# KiCad board ErgoSNM_keyboard.kicad_pcb
title: ErgoSNM Keyboard; date: 2022-12-11; rev: 1.1; note: MIT License (Open source hardware); note: https://github.com/ziteh/ergo-snm-keyboard
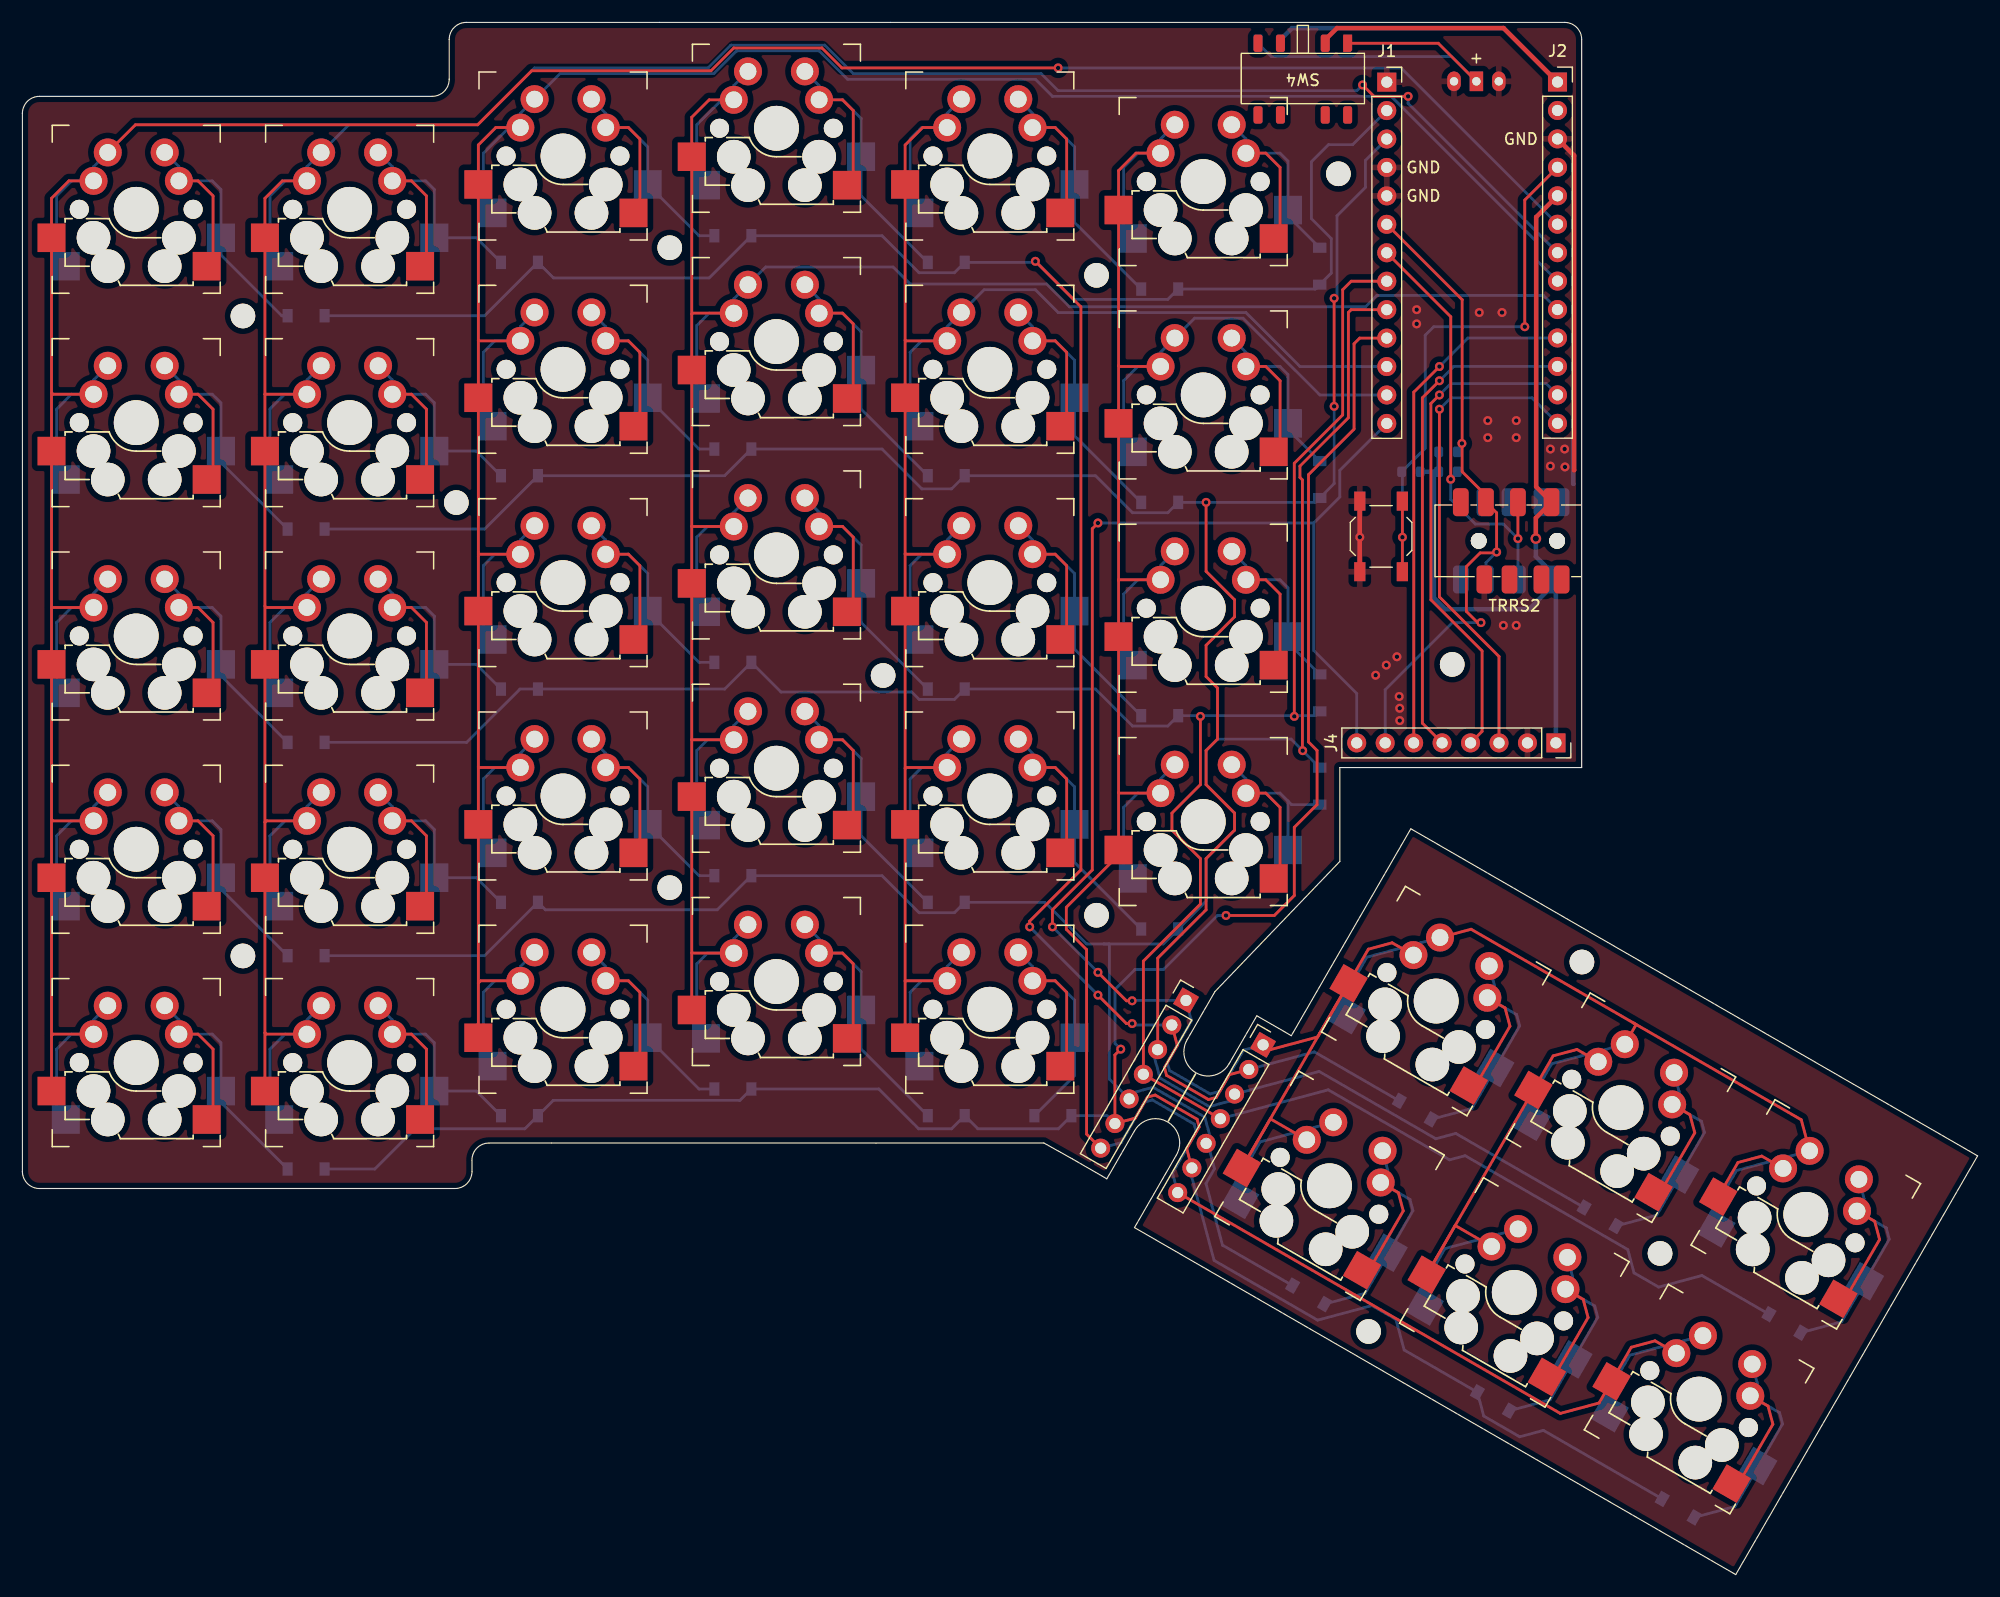
[diagram p0: board, top side]
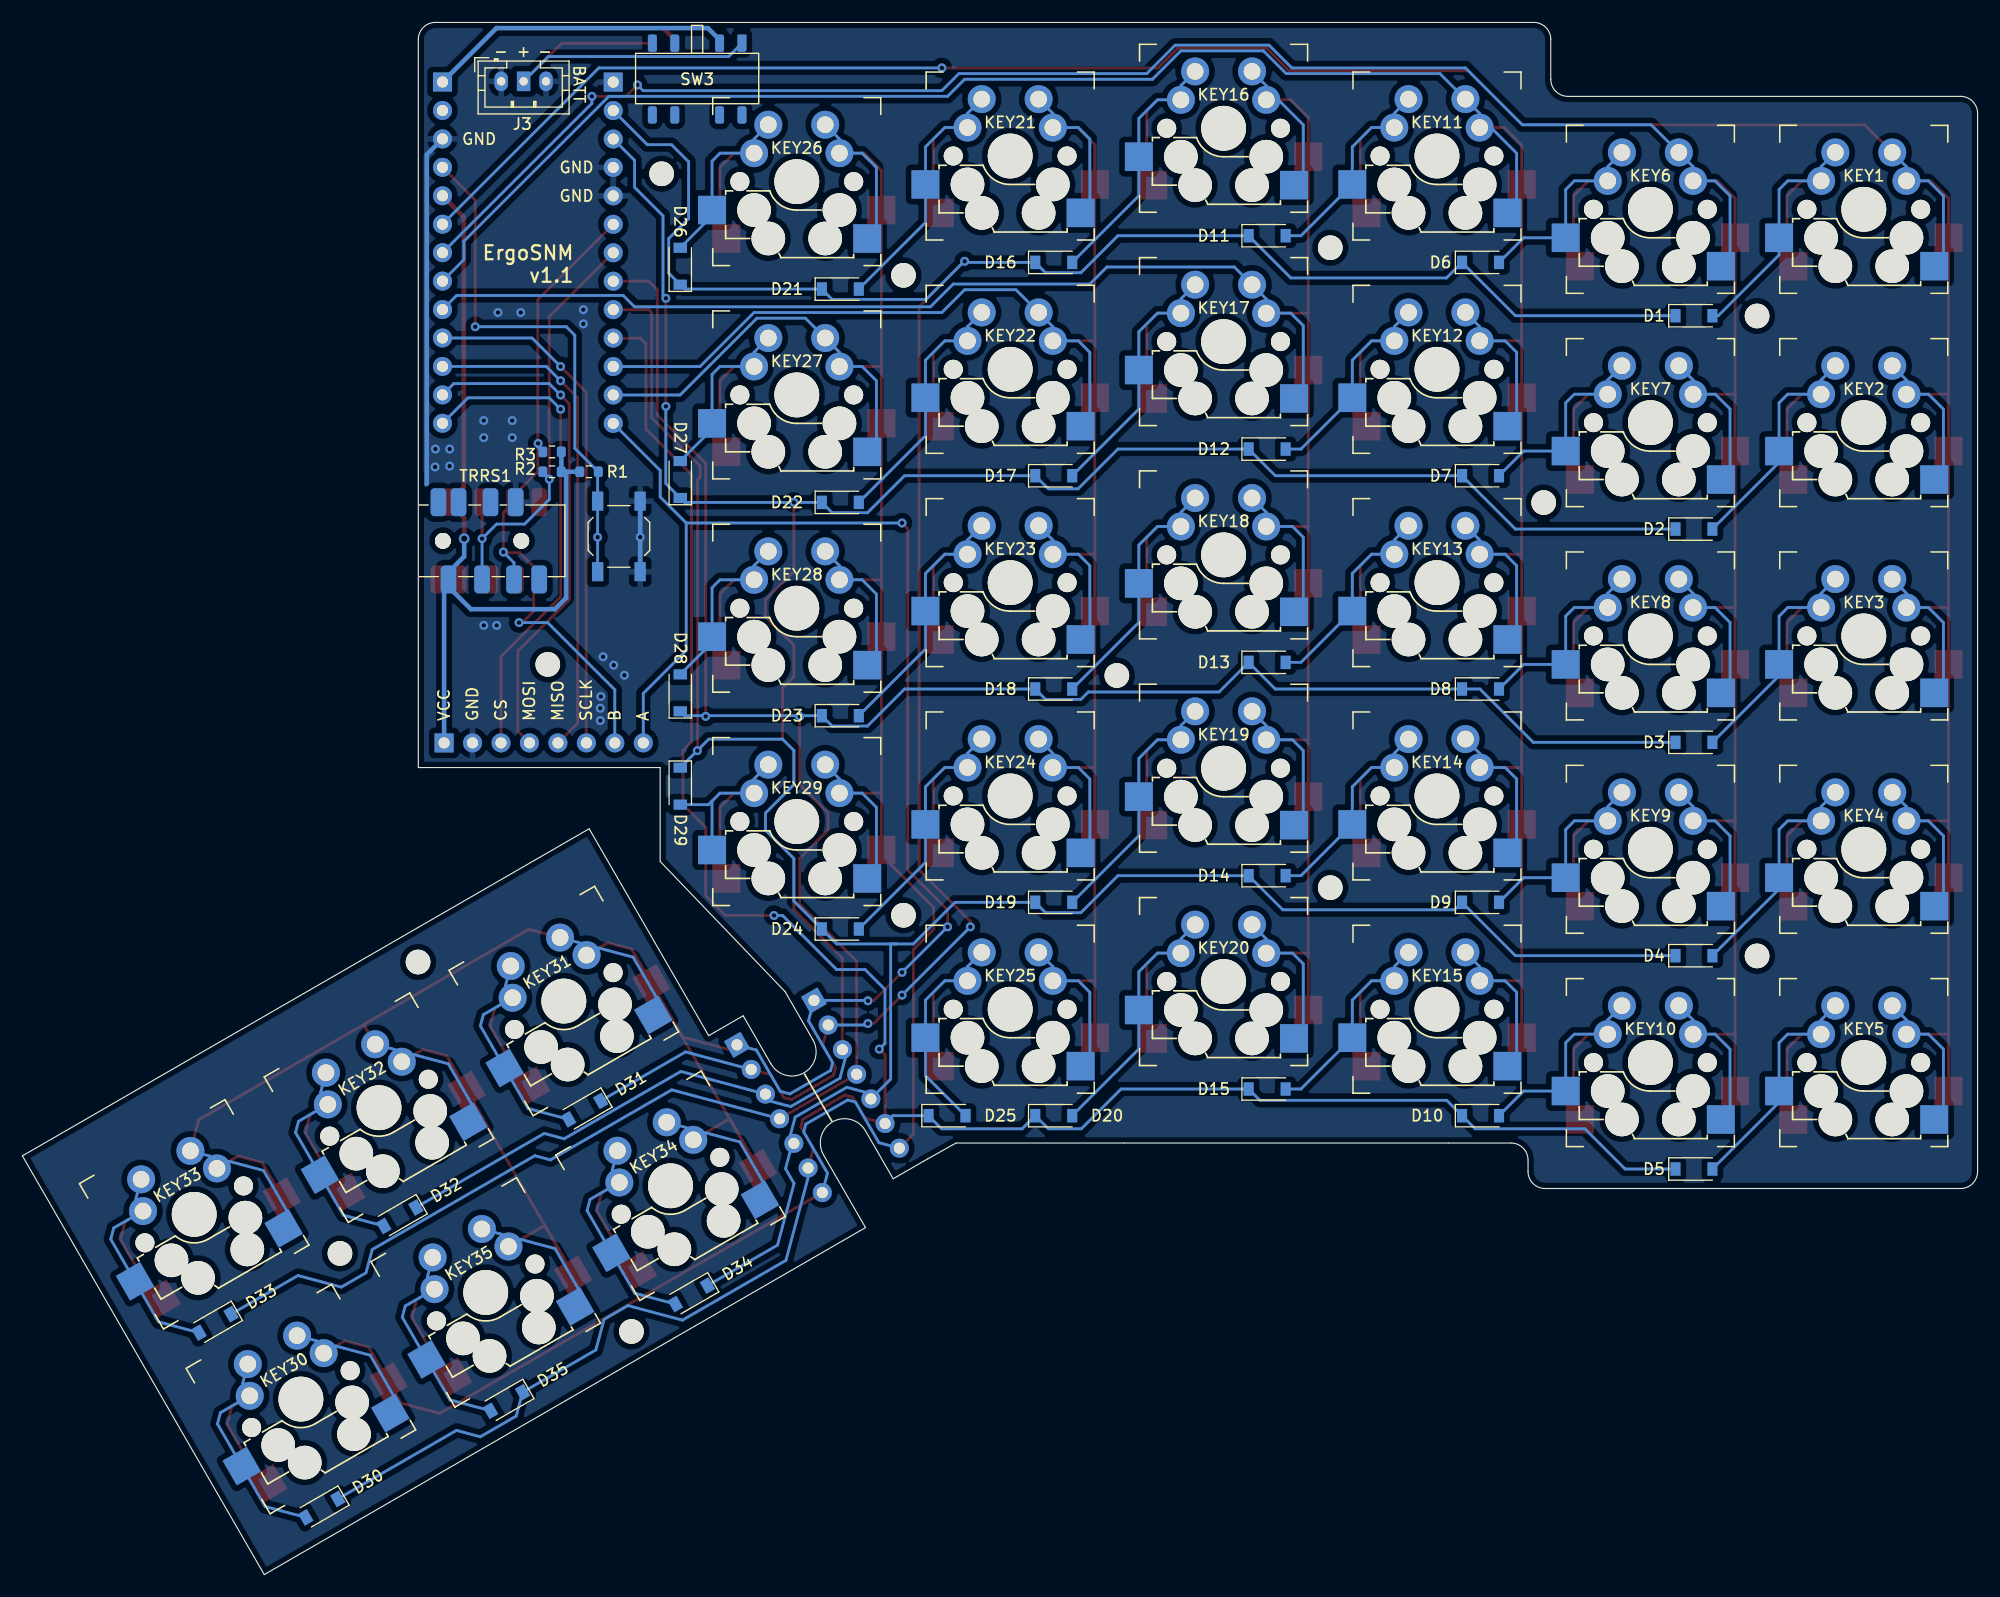
[diagram p1: board, bottom side, seen from below]

Outline 174.53 x 138.62 mm; copper layers: Top, Bottom. Coordinates in mm from the lower left corner of the outline.
Outline path: 0,130.49 arc(0.45,131.57) 1.52,132.01 36.58,132.01 arc(37.65,132.46) 38.1,133.54 38.1,137.09 arc(38.55,138.17) 39.62,138.62 137.67,138.62 arc(138.75,138.17) 139.19,137.09 139.19,72.07 117.6,72.07 117.6,63.69 106.45,52.06 103.98,47.78 arc(104.77,44.83) 107.72,45.62 110.19,49.91 113.27,48.13 123.94,66.6 174.53,37.39 152.94,0 99.27,30.99 103.02,37.48 arc(102.23,40.43) 99.28,39.64 96.8,35.35 93.72,37.12 91.19,38.54 41.66,38.54 arc(40.58,38.1) 40.13,37.02 40.13,36 arc(39.69,34.93) 38.61,34.48 1.52,34.48 arc(0.45,34.93) 0,36 0,130.49
Stack: Top 0.035mm / dielectric 1.51mm FR4 er 4.5 / Bottom 0.035mm

## Placement (name value [footprint] x y rotation side)
D1  1N4148  [D_SOD-123]  25.32 112.42 180 bottom
D2  1N4148  [D_SOD-123]  25.32 93.37 180 bottom
D3  1N4148  [D_SOD-123]  25.32 74.32 180 bottom
D4  1N4148  [D_SOD-123]  25.32 55.27 180 bottom
D5  1N4148  [D_SOD-123]  25.32 36.22 180 bottom
D6  1N4148  [D_SOD-123]  44.37 117.19 180 bottom
D7  1N4148  [D_SOD-123]  44.37 98.14 180 bottom
D8  1N4148  [D_SOD-123]  44.37 79.09 180 bottom
D9  1N4148  [D_SOD-123]  44.37 60.04 180 bottom
D10  1N4148  [D_SOD-123]  44.37 40.99 180 bottom
D11  1N4148  [D_SOD-123]  63.42 119.57 180 bottom
D12  1N4148  [D_SOD-123]  63.42 100.52 180 bottom
D13  1N4148  [D_SOD-123]  63.42 81.47 180 bottom
D14  1N4148  [D_SOD-123]  63.42 62.42 180 bottom
D15  1N4148  [D_SOD-123]  63.42 43.37 180 bottom
D16  1N4148  [D_SOD-123]  82.47 117.19 180 bottom
D17  1N4148  [D_SOD-123]  82.47 98.14 180 bottom
D18  1N4148  [D_SOD-123]  82.47 79.09 180 bottom
D19  1N4148  [D_SOD-123]  82.47 60.04 180 bottom
D20  1N4148  [D_SOD-123]  82.47 40.99 180 bottom
D21  1N4148  [D_SOD-123]  101.52 114.8 180 bottom
D22  1N4148  [D_SOD-123]  101.52 95.75 180 bottom
D23  1N4148  [D_SOD-123]  101.52 76.7 180 bottom
D24  1N4148  [D_SOD-123]  101.52 57.65 180 bottom
D25  1N4148  [D_SOD-123]  92 40.99 180 bottom
D26  1N4148  [D_SOD-123]  115.81 116.84 90 bottom
D27  1N4148  [D_SOD-123]  115.81 97.79 90 bottom
D28  1N4148  [D_SOD-123]  115.81 78.74 90 bottom
D29  1N4148  [D_SOD-123]  115.81 70.41 270 bottom
D30  1N4148  [D_SOD-123]  147.81 5.93 330 bottom
D31  1N4148  [D_SOD-123]  124.34 41.48 330 bottom
D32  1N4148  [D_SOD-123]  140.84 31.96 330 bottom
D33  1N4148  [D_SOD-123]  157.33 22.43 330 bottom
D34  1N4148  [D_SOD-123]  114.81 24.98 330 bottom
D35  1N4148  [D_SOD-123]  131.31 15.46 330 bottom
H1  MountingHole  [MountingHole_2.2mm_M2]  146.19 28.68 330 top
H2  MountingHole  [MountingHole_2.2mm_M2]  95.88 116.03 0 top
H3  MountingHole  [MountingHole_2.2mm_M2]  19.69 55.25 0 top
H4  MountingHole  [MountingHole_2.2mm_M2]  57.78 118.5 0 top
H5  MountingHole  [MountingHole_2.2mm_M2]  57.78 61.35 0 top
H6  MountingHole  [MountingHole_2.2mm_M2]  127.63 81.28 0 top
H7  MountingHole  [MountingHole_2.2mm_M2]  19.69 112.4 0 top
H8  MountingHole  [MountingHole_2.2mm_M2]  76.84 80.29 0 top
H9  MountingHole  [MountingHole_2.2mm_M2]  95.88 58.88 0 top
H10  MountingHole  [MountingHole_2.2mm_M2]  117.47 125.1 0 top
H11  MountingHole  [MountingHole_2.2mm_M2]  139.21 54.71 330 top
H12  MountingHole  [MountingHole_2.2mm_M2]  38.73 95.74 0 top
H13  MountingHole  [MountingHole_2.2mm_M2]  120.16 21.71 330 top
J1  Conn_01x13  [PinSocket_1x13_P2.54mm_Vertical]  121.79 133.28 0 top
J2  Conn_01x13  [PinSocket_1x13_P2.54mm_Vertical]  137.03 133.29 0 top
J3  Conn_01x03  [JST_PH_B3B-PH-K_1x03_P2.00mm_Vertical]  131.79 133.35 180 bottom
J4  Conn_01x08  [PinSocket_1x08_P2.54mm_Vertical]  136.89 74.27 270 top
J5  Conn_01x07  [PinHeader_1x07_P2.54mm_Vertical]  110.75 47.31 330 top
J6  Conn_01x07  [PinHeader_1x07_P2.54mm_Vertical]  103.87 51.28 330 top
KEY1  SW_Push_45deg  [MX_switch_THT_hotswap_double_sided_A]  10.16 121.92 0 top
KEY2  SW_Push_45deg  [MX_switch_THT_hotswap_double_sided_A]  10.16 102.87 0 top
KEY3  SW_Push_45deg  [MX_switch_THT_hotswap_double_sided_A]  10.16 83.82 0 top
KEY4  SW_Push_45deg  [MX_switch_THT_hotswap_double_sided_A]  10.16 64.77 0 top
KEY5  SW_Push_45deg  [MX_switch_THT_hotswap_double_sided_A]  10.16 45.72 0 top
KEY6  SW_Push_45deg  [MX_switch_THT_hotswap_double_sided_A]  29.21 121.92 0 top
KEY7  SW_Push_45deg  [MX_switch_THT_hotswap_double_sided_A]  29.21 102.87 0 top
KEY8  SW_Push_45deg  [MX_switch_THT_hotswap_double_sided_A]  29.21 83.82 0 top
KEY9  SW_Push_45deg  [MX_switch_THT_hotswap_double_sided_A]  29.21 64.77 0 top
KEY10  SW_Push_45deg  [MX_switch_THT_hotswap_double_sided_A]  29.21 45.72 0 top
KEY11  SW_Push_45deg  [MX_switch_THT_hotswap_double_sided_A]  48.26 126.69 0 top
KEY12  SW_Push_45deg  [MX_switch_THT_hotswap_double_sided_A]  48.26 107.64 0 top
KEY13  SW_Push_45deg  [MX_switch_THT_hotswap_double_sided_A]  48.26 88.59 0 top
KEY14  SW_Push_45deg  [MX_switch_THT_hotswap_double_sided_A]  48.26 69.54 0 top
KEY15  SW_Push_45deg  [MX_switch_THT_hotswap_double_sided_A]  48.26 50.49 0 top
KEY16  SW_Push_45deg  [MX_switch_THT_hotswap_double_sided_A]  67.31 129.16 0 top
KEY17  SW_Push_45deg  [MX_switch_THT_hotswap_double_sided_A]  67.31 110.11 0 top
KEY18  SW_Push_45deg  [MX_switch_THT_hotswap_double_sided_A]  67.31 91.06 0 top
KEY19  SW_Push_45deg  [MX_switch_THT_hotswap_double_sided_A]  67.31 72.01 0 top
KEY20  SW_Push_45deg  [MX_switch_THT_hotswap_double_sided_A]  67.31 52.96 0 top
KEY21  SW_Push_45deg  [MX_switch_THT_hotswap_double_sided_A]  86.36 126.69 0 top
KEY22  SW_Push_45deg  [MX_switch_THT_hotswap_double_sided_A]  86.36 107.64 0 top
KEY23  SW_Push_45deg  [MX_switch_THT_hotswap_double_sided_A]  86.36 88.59 0 top
KEY24  SW_Push_45deg  [MX_switch_THT_hotswap_double_sided_A]  86.36 69.54 0 top
KEY25  SW_Push_45deg  [MX_switch_THT_hotswap_double_sided_A]  86.36 50.49 0 top
KEY26  SW_Push_45deg  [MX_switch_THT_hotswap_double_sided_A]  105.41 124.4 0 top
KEY27  SW_Push_45deg  [MX_switch_THT_hotswap_double_sided_A]  105.41 105.35 0 top
KEY28  SW_Push_45deg  [MX_switch_THT_hotswap_double_sided_A]  105.41 86.3 0 top
KEY29  SW_Push_45deg  [MX_switch_THT_hotswap_double_sided_A]  105.41 67.25 0 top
KEY30  SW_Push_45deg  [MX_switch_THT_hotswap_double_sided_A]  149.67 15.67 330 top
KEY31  SW_Push_45deg  [MX_switch_THT_hotswap_double_sided_A]  126.2 51.22 330 top
KEY32  SW_Push_45deg  [MX_switch_THT_hotswap_double_sided_A]  142.7 41.7 330 top
KEY33  SW_Push_45deg  [MX_switch_THT_hotswap_double_sided_A]  159.2 32.17 330 top
KEY34  SW_Push_45deg  [MX_switch_THT_hotswap_double_sided_A]  116.68 34.72 330 top
KEY35  SW_Push_45deg  [MX_switch_THT_hotswap_double_sided_A]  133.18 25.2 330 top
R1  4.7k  [R_0603_1608Metric]  123.95 98.49 180 bottom
R2  4.7k  [R_0603_1608Metric]  127.25 98.49 0 bottom
R3  4.7k  [R_0603_1608Metric]  127.25 100.26 180 bottom
SW1  RESET  [SW_SPST_TL3342]  121.28 92.71 90 bottom
SW2  RESET  [SW_SPST_TL3342]  121.28 92.71 270 top
SW3  SW_2P2T  [MSK-23D20-T]  114.3 133.35 0 bottom
SW4  SW_2P2T  [MSK-23D20-T]  114.3 133.35 180 top
TRRS1  PJ-393_TRRS_8P  [PJ-393 8P TRRS]  133.7 92.32 0 bottom
TRRS2  PJ-393_TRRS_8P  [PJ-393 8P TRRS]  133.7 92.32 0 top

## Footprints (pads in the part's own frame, mm; a bottom-side part is the same pattern mirrored in y, then rotated)
D_SOD-123
  rect 0.9x1.2 smd: 1(-1.65,0) 2(1.65,0)
JST_PH_B3B-PH-K_1x03_P2.00mm_Vertical
  oval 1.2x1.75 hole 0.75: 1(0,0) 3(4,0)
  rect 1.2x1.75 hole 0.75: 2(2,0)
MountingHole_2.2mm_M2
  round 2.2 hole 2.2 unplated: (0,0)
MSK-23D20-T
  rrect 0.8x1.55 smd: 1(-4,-3.4) 2(-2,-3.4) 3(2,-3.4) 4(4,-3.4) 5(-4,3) 6(-2,3) 7(2,3) 8(4,3)
MX_switch_THT_hotswap_double_sided_A
  round 1.7 hole 1.7 unplated: (-5.08,0) (5.08,0)
  round 3 hole 3 unplated: (-3.81,-2.54) (-2.54,-5.08) (2.54,-5.08) (3.81,-2.54)
  round 4 hole 4 unplated: (0,0)
  rect 2.5x2.55 smd: 1(-7.56,-2.54) 2(6.29,-5.08)
  rect 2.5x2.55 smd far side: 1(-6.29,-5.08) 2(7.56,-2.54)
  round 2.5 hole 1.5: 1(-3.81,2.54) 1(-2.54,5.08) 2(2.54,5.08) 2(3.81,2.54)
PinHeader_1x07_P2.54mm_Vertical
  rect 1.7x1.7 hole 1: 1(0,0)
  oval 1.7x1.7 hole 1: 2(0,-2.54) 3(0,-5.08) 4(0,-7.62) 5(0,-10.16) 6(0,-12.7) 7(0,-15.24)
PinSocket_1x08_P2.54mm_Vertical
  rect 1.7x1.7 hole 1: 1(0,0)
  oval 1.7x1.7 hole 1: 2(0,-2.54) 3(0,-5.08) 4(0,-7.62) 5(0,-10.16) 6(0,-12.7) 7(0,-15.24) 8(0,-17.78)
PinSocket_1x13_P2.54mm_Vertical
  rect 1.7x1.7 hole 1: 1(0,0)
  oval 1.7x1.7 hole 1: 2(0,-2.54) 3(0,-5.08) 4(0,-7.62) 5(0,-10.16) 6(0,-12.7) 7(0,-15.24) 8(0,-17.78) 9(0,-20.32) 10(0,-22.86) 11(0,-25.4) 12(0,-27.94) 13(0,-30.48)
PJ-393 8P TRRS
  round 1.4 hole 1.4 unplated: (-3.7,0) (3.3,0)
  rrect 1.4x2.5 smd: R1(-3.05,3.45) R1_{s}(-0.95,-3.45) R2(-0.2,3.45) R2_{s}(1.9,-3.45) S(2.8,3.45) S_{s}(3.7,-3.45) T(-3.2,-3.45) T_{s}(-5.3,3.45)
R_0603_1608Metric
  rrect 0.8x0.95 smd: 1(-0.825,0) 2(0.825,0)
SW_SPST_TL3342
  rect 1.7x1 smd: 1(-3.15,1.9) 1(3.15,1.9) 2(-3.15,-1.9) 2(3.15,-1.9)

## Nets
GND: J1.1 J1.4 J1.5 J2.3 J3.1 J3.3 J4.2 SW1.2 SW2.2 TRRS1.T TRRS2.T
VBUS: J2.2
VCC: J2.5 J4.1 R1.1 R2.1 R3.2 TRRS1.S TRRS2.S
+BATT: J2.1 SW3.2 SW4.2
COL_0: J2.6 KEY1.1 KEY2.1 KEY3.1 KEY4.1 KEY5.1
COL_1: J2.7 KEY6.1 KEY7.1 KEY8.1 KEY9.1 KEY10.1
COL_2: J2.8 KEY11.1 KEY12.1 KEY13.1 KEY14.1 KEY15.1
COL_3: J2.9 KEY16.1 KEY17.1 KEY18.1 KEY19.1 KEY20.1
COL_4: J1.11 KEY21.1 KEY22.1 KEY23.1 KEY24.1 KEY25.1
COL_5: J1.12 J5.7 J6.7 KEY26.1 KEY27.1 KEY28.1 KEY29.1 KEY30.1
COL_6: J1.13 J4.8 J5.1 J6.1 KEY31.1 KEY32.1 KEY33.1 KEY34.1 KEY35.1
CS: J2.13 J4.3
ENC_B: J1.6 J4.7 R3.1 TRRS1.R1 TRRS2.R1
MISO: J2.11 J4.5
MOSI: J2.12 J4.4
RESET: J2.4 R1.2 SW1.1 SW2.1
ROW_0: D1.1 D6.1 D11.1 D16.1 D21.1 D26.1 D31.1 J1.2 J5.2 J6.2
ROW_1: D2.1 D7.1 D12.1 D17.1 D22.1 D27.1 D32.1 J1.3 J5.3 J6.3
ROW_2: D3.1 D8.1 D13.1 D18.1 D23.1 D28.1 D33.1 J1.8 J5.4 J6.4
ROW_3: D4.1 D9.1 D14.1 D19.1 D24.1 D29.1 D34.1 J1.9 J5.5 J6.5
ROW_4: D5.1 D10.1 D15.1 D20.1 D25.1 D30.1 D35.1 J1.10 J5.6 J6.6
SCL: J1.7 R2.2 TRRS1.R2 TRRS2.R2
SCLK: J2.10 J4.6
Net-(D1-Pad2): D1.2 KEY1.2
Net-(D2-Pad2): D2.2 KEY2.2
Net-(D3-Pad2): D3.2 KEY3.2
Net-(D4-Pad2): D4.2 KEY4.2
Net-(D5-Pad2): D5.2 KEY5.2
Net-(D6-Pad2): D6.2 KEY6.2
Net-(D7-Pad2): D7.2 KEY7.2
Net-(D8-Pad2): D8.2 KEY8.2
Net-(D9-Pad2): D9.2 KEY9.2
Net-(D10-Pad2): D10.2 KEY10.2
Net-(D11-Pad2): D11.2 KEY11.2
Net-(D12-Pad2): D12.2 KEY12.2
Net-(D13-Pad2): D13.2 KEY13.2
Net-(D14-Pad2): D14.2 KEY14.2
Net-(D15-Pad2): D15.2 KEY15.2
Net-(D16-Pad2): D16.2 KEY16.2
Net-(D17-Pad2): D17.2 KEY17.2
Net-(D18-Pad2): D18.2 KEY18.2
Net-(D19-Pad2): D19.2 KEY19.2
Net-(D20-Pad2): D20.2 KEY20.2
Net-(D21-Pad2): D21.2 KEY21.2
Net-(D22-Pad2): D22.2 KEY22.2
Net-(D23-Pad2): D23.2 KEY23.2
Net-(D24-Pad2): D24.2 KEY24.2
Net-(D25-Pad2): D25.2 KEY25.2
Net-(D26-Pad2): D26.2 KEY26.2
Net-(D27-Pad2): D27.2 KEY27.2
Net-(D28-Pad2): D28.2 KEY28.2
Net-(D29-Pad2): D29.2 KEY29.2
Net-(D30-Pad2): D30.2 KEY30.2
Net-(D31-Pad2): D31.2 KEY31.2
Net-(D32-Pad2): D32.2 KEY32.2
Net-(D33-Pad2): D33.2 KEY33.2
Net-(D34-Pad2): D34.2 KEY34.2
Net-(D35-Pad2): D35.2 KEY35.2
Net-(J3-Pad2): J3.2 SW3.1 SW4.1

Pads without a net: SW3 3 4 5 6 7 8; SW4 3 4 5 6 7 8; TRRS1 R1_{s} R2_{s} S_{s} T_{s}; TRRS2 R1_{s} R2_{s} S_{s} T_{s}

## Via types
v1: diameter 0.8, hole 0.4, Top to Bottom, 51 vias
v2: diameter 0.95, hole 0.55, Top to Bottom, 1 via

## Routing (per net, layer and track width the routed paths; a pad name or vN(x,y) marks a point on that pad's centre or on a via; arc(x,y) is an arc through that point)
GND: length 74.2
  Top w0.4: J2.3 138.52,126.73 138.52,98.64 138.5,98.62 ; SW2.2 SW2.2
  Bottom w0.4: J2.3 138.43,126.82 138.43,97.43 138.46,97.4 ; SW2.2 v1(119.38,92.65) SW2.2
  vias: v1(120.8,80.32) v1(121.75,81.22) v1(122.7,81.97) v1(122.9,78.42) v1(122.95,77.37) v1(122.95,76.27) v1(124.46,112.96) v1(124.46,111.69) v1(130.05,112.71) v1(130.81,103.06) v1(130.81,101.53) v1(132.08,112.71) v1(132.2,84.77) v1(133.35,103.06) v1(133.35,101.53) v1(133.35,84.77) v1(136.4,100.52) v1(136.4,98.99) v1(137.67,100.52) v1(137.7,98.92)
VCC: length 79.3
  Top w0.4: v2(135.1,92.52) 135.1,94.37 TRRS2.S 135.13,97.14 135.13,121.23 J2.5 ; J4.1 137.36,74.74
  Bottom w0.4: TRRS1.S 136.5,88.22 134.5,86.22 127,86.22 126,87.22 126,98.49 ; TRRS1.S 136.89,88.48 J4.1 ; TRRS1.S 136.5,89.52 135.1,90.92 v2(135.1,92.52) ; R1.1 R2.1 R3.2
+BATT: length 50.9
  Top w0.4: J2.1 132.22,138.11 117.35,138.11 116.3,137.06 SW4.2
  Bottom w0.4: J2.1 132.22,138.11 113.34,138.11 112.3,137.07 SW3.2
COL_0: length 306.8
  Top w0.25: 2.6,105.54 2.72,105.41 KEY2.1 ; 2.6,105.54 KEY1.1 2.6,122.91 4.16,124.46 KEY1.1 ; 2.6,105.54 2.6,86.35 ; KEY1.1 10.09,129.47 40.64,129.47 45.47,134.3 61.47,134.3 63.5,136.33 71.37,136.33 73.15,134.55 v1(92.46,134.55) ; KEY3.1 2.61,86.36 2.6,86.35 ; KEY5.1 2.73,48.26 2.6,48.13 ; 2.6,86.35 2.6,67.44 ; 2.6,67.44 2.72,67.31 KEY4.1 ; 2.6,67.44 2.6,48.13 ; 2.6,48.13 KEY5.1
  Bottom w0.25: KEY3.1 3.05,79.57 3.05,85.02 4.39,86.36 KEY3.1 6.35,87.63 KEY3.1 ; KEY1.1 6.35,125.73 KEY1.1 4.39,124.46 3.05,123.12 3.05,117.67 KEY1.1 ; KEY4.1 3.05,60.52 3.05,65.97 4.39,67.31 KEY4.1 6.35,68.58 KEY4.1 ; J2.6 123.07,134.55 v1(92.46,134.55) ; KEY5.1 6.35,49.53 KEY5.1 4.39,48.26 3.05,46.92 3.05,41.47 KEY5.1 ; KEY2.1 6.35,106.68 KEY2.1 4.39,105.41 3.05,104.07 3.05,98.62 KEY2.1
COL_1: length 289.6
  Top w0.25: KEY8.1 21.77,86.36 ; 21.65,105.4 21.66,105.41 KEY7.1 ; 21.65,105.4 KEY6.1 21.65,122.91 23.21,124.46 KEY6.1 ; 21.65,105.4 21.65,67.18 ; v1(123.7,132.01) 120.65,132.01 v1(119.63,133.03) ; 21.65,48.39 21.77,48.26 KEY10.1 ; 21.65,48.39 21.65,67.18 ; 21.65,48.39 KEY10.1 ; 21.65,67.18 21.78,67.31 KEY9.1
  Bottom w0.25: KEY7.1 25.4,106.68 KEY7.1 23.41,105.41 22.1,104.1 22.1,98.62 KEY7.1 ; KEY8.1 25.4,87.63 KEY8.1 23.44,86.36 22.1,85.02 22.1,79.57 KEY8.1 ; KEY9.1 25.4,68.58 KEY9.1 23.44,67.31 22.1,65.97 22.1,60.52 KEY9.1 ; KEY10.1 25.4,49.53 KEY10.1 23.44,48.26 22.1,46.92 22.1,41.47 KEY10.1 ; v1(119.63,133.03) 119.13,132.52 92.46,132.52 90.93,134.05 74.17,134.05 71.63,136.59 63.25,136.59 61.21,134.55 45.72,134.55 40.64,129.47 29.14,129.47 KEY6.1 25.4,125.73 KEY6.1 23.44,124.46 22.1,123.12 22.1,117.67 KEY6.1 ; J2.7 123.7,131.39 v1(123.7,132.01)
COL_2: length 269.7
  Top w0.25: 40.7,72.13 40.7,110.23 ; 40.7,72.13 40.75,72.08 KEY14.1 ; 40.7,72.13 40.7,52.83 ; KEY13.1 40.72,91.13 40.7,91.14 ; 40.7,52.83 KEY15.1 ; 40.7,52.83 40.9,53.03 KEY15.1 ; 40.7,110.23 40.75,110.18 KEY12.1 ; 40.7,110.23 KEY11.1 40.7,127.67 42.26,129.23 KEY11.1
  Bottom w0.25: KEY12.1 41.15,103.38 41.15,109.15 42.17,110.18 KEY12.1 44.45,111.45 KEY12.1 ; KEY13.1 44.45,92.4 KEY13.1 42.17,91.13 41.15,90.1 41.15,84.33 KEY13.1 ; KEY14.1 44.45,73.35 KEY14.1 42.17,72.08 41.15,71.05 41.15,65.28 KEY14.1 ; J2.8 135.13,117.42 135.13,119.07 122.18,132.01 91.95,132.01 90.42,133.54 73.66,133.54 71.12,136.08 63.75,136.08 61.72,134.05 48,134.05 KEY11.1 44.45,130.5 KEY11.1 43.44,129.23 41.15,126.93 41.15,122.43 KEY11.1 ; KEY15.1 41.15,46.23 41.15,52 42.17,53.03 KEY15.1 44.45,54.3 KEY15.1
COL_3: length 242.5
  Top w0.25: 59.75,55.53 59.77,55.5 KEY20.1 ; 59.75,55.53 KEY20.1 ; 59.75,55.53 59.75,74.57 ; 59.75,112.6 59.75,93.61 ; 59.75,112.6 KEY16.1 59.75,130.15 61.31,131.7 KEY16.1 ; 59.75,112.6 59.8,112.65 KEY17.1 ; 59.75,93.61 59.76,93.6 KEY18.1 ; 59.75,93.61 59.75,74.57 ; KEY19.1 59.76,74.55 59.75,74.57
  Bottom w0.25: KEY17.1 60.2,105.86 60.2,111.55 61.31,112.65 KEY17.1 63.5,113.92 KEY17.1 66.35,116.77 77.72,116.77 79.25,115.25 91.44,115.25 93.47,113.22 119.89,113.22 120.9,114.23 135.77,114.23 J2.9 ; KEY18.1 60.2,86.81 60.2,92.64 61.16,93.6 KEY18.1 63.5,94.87 KEY18.1 ; KEY16.1 63.5,132.97 KEY16.1 62.43,131.7 60.2,129.47 60.2,124.91 KEY16.1 ; KEY19.1 60.2,67.76 60.2,73.59 61.16,74.55 KEY19.1 63.5,75.82 KEY19.1 ; KEY20.1 63.5,56.77 KEY20.1 61.16,55.5 60.2,54.54 60.2,48.71 KEY20.1
COL_4: length 209.5
  Top w0.25: KEY22.1 78.85,110.18 78.8,110.23 ; 78.8,110.23 KEY21.1 78.8,127.67 80.35,129.23 KEY21.1 ; 78.8,110.23 78.8,91.15 ; 78.8,91.15 78.8,72.01 ; 78.8,91.15 78.82,91.13 KEY23.1 ; 78.8,72.01 78.8,53.03 ; 78.8,72.01 78.86,72.08 KEY24.1 ; KEY25.1 78.8,53.03 78.8,53.03 ; 78.8,53.03 KEY25.1
  Bottom w0.25: KEY25.1 79.25,46.23 79.25,52 80.27,53.03 KEY25.1 82.55,54.3 KEY25.1 ; KEY22.1 79.25,103.38 79.25,109.15 80.27,110.18 KEY22.1 82.55,111.45 KEY22.1 85.84,114.74 90.42,114.74 92.46,112.71 109.22,112.71 114.05,107.88 J1.11 ; KEY23.1 82.55,92.4 KEY23.1 80.27,91.13 79.25,90.1 79.25,84.33 KEY23.1 ; KEY24.1 79.25,65.28 79.25,71.05 80.27,72.08 KEY24.1 82.55,73.35 KEY24.1 ; KEY21.1 82.55,130.5 KEY21.1 80.27,129.23 79.25,128.2 79.25,122.43 KEY21.1
COL_5: length 267.4
  Top w0.25: 97.85,107.94 KEY26.1 97.85,125.39 99.41,126.94 KEY26.1 ; 97.85,107.94 97.85,88.82 ; 97.85,107.94 97.9,107.89 KEY27.1 ; 97.85,69.84 97.9,69.79 KEY29.1 ; 97.85,69.84 KEY29.1 97.85,64.26 93.19,59.59 93.19,57.62 95,55.81 95,39.34 J6.7 ; 97.85,69.84 97.85,88.82 ; 97.85,88.82 97.87,88.84 KEY28.1 ; J5.7 137.28,14.4 140.74,15.33 KEY30.1 143.62,20.31 145.74,20.87 KEY30.1
  Bottom w0.25: J5.7 102.66,35.85 104.79,39.53 104.6,40.23 100.87,42.39 100.17,42.2 98.08,38.57 J6.7 ; KEY29.1 101.6,71.06 KEY29.1 99.57,69.79 98.3,68.51 98.3,62.99 KEY29.1 ; KEY30.1 141.31,15.83 143.48,19.59 146.54,20.41 KEY30.1 148.28,20.88 KEY30.1 ; KEY28.1 101.6,90.11 KEY28.1 99.57,88.84 98.3,87.56 98.3,82.04 KEY28.1 ; KEY27.1 98.3,101.09 98.3,106.61 99.57,107.89 KEY27.1 101.6,109.16 KEY27.1 104.64,112.2 108.97,112.2 115.82,105.34 J1.12 ; KEY26.1 98.3,120.14 98.3,125.66 99.57,126.94 KEY26.1 101.6,128.21 KEY26.1
COL_6: length 321.4
  Top w0.25: KEY33.1 158.79,40.62 143.84,49.25 ; KEY31.1 KEY34.1 111.4,40.7 KEY34.1 ; KEY31.1 120.15,55.85 122.27,56.42 KEY31.1 ; KEY31.1 115.62,48.01 111.46,46.9 J5.1 ; KEY31.1 129.32,57.63 143.84,49.25 ; 143.84,49.25 144.06,49.13 KEY32.1 ; KEY32.1 138.77,46.9 136.65,46.33 KEY32.1 KEY35.1 127.9,31.18 KEY35.1 ; KEY33.1 153.14,36.8 155.27,37.37 KEY33.1 ; v1(99.06,51.24) 98.55,51.24 v1(96.01,53.78) ; v1(91.95,57.85) 91.95,59.37 95.5,62.93 95.5,93.41 v1(96.01,93.91)
  Bottom w0.25: KEY32.1 141.31,46.9 KEY32.1 139.57,46.44 136.51,45.61 134.34,41.85 KEY32.1 ; KEY33.1 157.8,37.38 KEY33.1 156.07,36.91 153.01,36.09 150.83,32.32 KEY33.1 ; 115.28,93.91 117.6,96.24 117.6,98.61 J1.13 ; 115.28,93.91 115.28,82.52 119.11,78.69 J4.8 ; 115.28,93.91 v1(96.01,93.91) ; KEY34.1 115.28,39.93 KEY34.1 113.55,39.46 110.49,38.64 108.31,34.88 KEY34.1 ; KEY31.1 117.84,51.37 120.01,55.14 123.07,55.96 KEY31.1 124.81,56.42 KEY31.1 ; KEY35.1 124.81,25.35 126.99,29.12 130.05,29.94 KEY35.1 131.78,30.4 KEY35.1 ; v1(96.01,53.78) v1(91.95,57.85) ; J5.1 109.01,46.85 106.89,43.16 106.02,42.93 102.39,45.03 102.2,45.72 104.36,49.46 J6.1 99.1,51.28 v1(99.06,51.24)
CS: length 43.9
  Top w0.25: v1(126.49,104.07) 126.49,87.31 131.81,81.99 131.81,74.27
  Bottom w0.25: v1(126.49,104.07) 127.51,105.09 134.76,105.09 J2.13
ENC_B: length 62.4
  Top w0.25: J1.6 128.52,113.85 128.52,101.04 v1(128.5,101.02) 128.52,100.99 128.52,98.49 130.65,96.37 TRRS2.R1 131.6,94.82 v1(131.6,91.32) 131.52,91.24 130.12,91.24 128.9,90.02 128.9,86.02 129.9,85.02 v1(130.2,85.02)
  Bottom w0.25: v1(131.6,91.32) 130.65,90.37 TRRS1.R1 130.65,89.37 ; 121.65,74.27 121.65,79.02 127.65,85.02 v1(130.2,85.02) ; v1(128.5,101.02) 128.52,100.99 128.52,100.71 128.08,100.26
MISO: length 44.8
  Top w0.25: v1(126.49,106.61) 124.97,105.09 124.97,76.04 J4.5
  Bottom w0.25: J2.11 127.77,107.89 v1(126.49,106.61)
MOSI: length 45.1
  Top w0.25: 129.27,74.27 130.3,75.3 130.3,82.49 125.73,87.06 125.73,104.58 v1(126.49,105.34)
  Bottom w0.25: v1(126.49,105.34) 127.51,106.36 136.03,106.36 J2.12
RESET: length 53
  Top w0.25: SW2.1 123.19,92.65 v1(123.19,92.64) 123.19,92.64 SW2.1 ; J2.4 134.11,122.75 v1(134.11,111.44)
  Bottom w0.25: SW2.1 SW2.1 123.19,98.43 R1.2 125.22,100.58 125.22,110.68 125.98,111.44 v1(134.11,111.44)
ROW_0: length 225.6
  Top w0.25: v1(99.06,49.21) 98.55,49.21 v1(96.01,51.75) ; v1(89.92,57.85) 89.92,58.35 94.49,62.93 94.49,113.22 v1(90.42,117.28) ; J5.2 107.74,44.65 106.57,42.61 105.87,42.43 102.14,44.59 101.95,45.28 103.09,47.26 J6.2
  Bottom w0.25: J5.2 115.33,46.68 D31.1 ; J1.2 118.75,127.7 116.59,127.7 115.06,126.17 115.06,121.09 116.84,119.31 116.84,116.23 D26.1 115.42,114.8 D21.1 102.25,113.88 93.87,113.88 90.56,117.19 D16.1 83.2,116.26 80.05,116.26 76.74,119.57 D11.1 61.3,115.8 47.41,115.8 D6.1 41.26,112.42 D1.1 ; J6.2 99.19,49.08 v1(99.06,49.21) ; v1(89.92,57.85) v1(96.01,51.75)
ROW_1: length 231.3
  Top w0.25: J6.3 101.35,46.89 101.35,55.05 105.66,59.37 105.66,63.94 108.2,66.48 108.2,68.01 105.66,70.55 105.66,73.59 106.68,74.61 106.68,79.18 105.66,80.2 105.66,82.99 108.2,85.53 108.2,87.06 105.66,89.6 v1(105.66,95.75) ; v1(117.09,113.98) v1(117.09,104.33)
  Bottom w0.25: v1(117.09,113.98) 117.35,114.23 117.35,121.35 119.89,123.89 119.89,126.3 J1.3 ; J6.3 101.02,46.33 101.55,44.34 105.95,41.8 107.86,42.31 J5.3 115.75,44.93 126.17,38.92 127.95,39.4 D32.1 ; D2.1 41.26,93.37 D7.1 62.69,98.14 D12.1 76.74,100.52 80.29,96.96 82.95,96.96 D17.1 95.79,98.14 99.1,94.83 102.25,94.83 D22.1 v1(105.66,95.75) 115.42,95.75 D27.1 117.09,97.43 v1(117.09,104.33)
ROW_2: length 240
  Top w0.25: v1(113.54,76.64) 113.54,99.25 117.86,103.57 117.86,114.74 118.62,115.5 J1.8 ; J5.4 J6.4 100.06,54.79 105.16,59.88 105.16,63.94 102.62,66.48 102.62,68.01 105.16,70.55 v1(105.16,76.64)
  Bottom w0.25: D28.1 115.42,76.7 D23.1 102.25,75.78 99.1,75.78 95.79,79.09 D18.1 83.2,78.16 80.05,78.16 79.39,78.82 67.72,78.82 D13.1 62.69,79.09 D8.1 44.42,79.09 39.66,74.32 D3.1 ; D33.1 149.92,26.71 146.06,25.68 143.86,26.95 143.31,29.03 128.79,37.41 127.4,37.04 116.57,43.29 J5.4
ROW_3: length 201.1
  Top w0.25: v1(114.29,73.58) 114.26,73.61 114.26,97.76 114.05,97.98 114.05,98.99 118.36,103.31 118.36,112.71 118.62,112.96 J1.9
  Bottom w0.25: 96.52,56.32 95,56.32 91.28,60.04 D19.1 83.2,59.11 80.05,59.11 76.74,62.42 D14.1 62.02,59.37 46.69,59.37 D9.1 41.26,55.27 D4.1 ; 96.52,56.32 101.84,56.32 D24.1 105.66,60.15 105.66,63.94 108.2,66.48 108.2,68.01 105.66,70.55 105.66,73.59 106.68,74.61 113.26,74.61 v1(114.29,73.58) D29.1 ; 96.52,56.32 97.03,56.32 97.03,44.25 J6.5 99.11,43.03 100.93,43.52 105.55,40.85 106.02,39.12 J5.5 105.83,38.42 106.41,36.25 105.65,34.93 107.13,29.42 D34.1
ROW_4: length 235.1
  Top w0.25: J5.6 103.93,38.05 105.04,39.97 104.86,40.67 101.12,42.83 100.43,42.64 99.35,40.77 J6.6 97.52,46.41 v1(98.04,46.92) ; v1(107.44,58.86) 111.76,58.86 113.54,60.64 113.54,66.74 115.57,68.77 115.57,73.59 114.81,74.36 114.81,98.23 118.87,102.3 118.87,109.92 119.38,110.42 J1.10
  Bottom w0.25: D30.1 135.78,12.88 133.65,12.31 130.45,14.16 D35.1 123.34,20.06 122.61,22.79 120.47,24.03 115.62,22.72 106.38,28.06 104.24,36.04 J5.6 ; v1(98.04,46.92) 97.54,47.43 97.54,52.26 99.31,54.04 101.85,54.04 106.68,58.86 v1(107.44,58.86) ; D5.1 31.46,36.22 35.05,39.81 44.85,39.81 D10.1 47.39,42.35 64.06,42.35 D15.1 76.46,43.37 80.01,39.81 82.95,39.81 D20.1 85.29,39.81 92.47,39.81 D25.1 96.82,40.99 J6.6
SCL: length 40.8
  Top w0.25: v1(127.5,97.82) 127.51,97.83 127.51,112.33 J1.7 ; v1(133.5,92.52) TRRS2.R2
  Bottom w0.25: v1(127.5,97.82) 127.5,97.91 ; 127.5,97.91 127.5,96.02 129.7,93.82 132.2,93.82 v1(133.5,92.52) TRRS1.R2 133.5,87.82 ; 127.5,97.91 128.08,98.49
SCLK: length 46.2
  Top w0.25: J4.6 124.21,74.29 124.21,105.6 v1(126.49,107.88)
  Bottom w0.25: J2.10 129.04,110.43 v1(126.49,107.88)
Net-(D1-Pad2): length 31.3
  Top w0.25: KEY1.2 17.02,117.41 17.02,123.12 15.68,124.46 KEY1.2
  Bottom w0.25: KEY1.2 13.97,125.73 KEY1.2 16.95,124.46 17.72,123.69 KEY1.2 17.72,117.85 23.15,112.42 D1.2
Net-(D2-Pad2): length 31
  Top w0.25: KEY2.2 17.02,98.36 17.02,104.07 15.68,105.41 KEY2.2
  Bottom w0.25: KEY2.2 13.97,106.68 KEY2.2 16.95,105.41 17.72,104.64 KEY2.2 17.72,99.32 D2.2
Net-(D3-Pad2): length 31
  Top w0.25: KEY3.2 17.02,79.31 17.02,85.02 15.68,86.36 KEY3.2
  Bottom w0.25: D3.2 17.72,80.27 KEY3.2 17.72,85.59 16.95,86.36 KEY3.2 13.97,87.63 KEY3.2
Net-(D4-Pad2): length 31
  Top w0.25: KEY4.2 17.02,60.26 17.02,65.97 15.68,67.31 KEY4.2
  Bottom w0.25: KEY4.2 13.97,68.58 KEY4.2 16.95,67.31 17.72,66.54 KEY4.2 17.72,61.22 D4.2
Net-(D5-Pad2): length 31
  Top w0.25: KEY5.2 17.02,41.21 17.02,46.92 15.68,48.26 KEY5.2
  Bottom w0.25: KEY5.2 13.97,49.53 KEY5.2 16.95,48.26 17.72,47.49 KEY5.2 17.72,42.17 D5.2
Net-(D6-Pad2): length 28.4
  Top w0.25: KEY6.2 36.07,117.41 36.07,123.12 34.73,124.46 KEY6.2
  Bottom w0.25: KEY6.2 33.02,125.73 KEY6.2 36,124.46 36.77,123.69 KEY6.2 40.52,119.38 D6.2
Net-(D7-Pad2): length 28.4
  Top w0.25: KEY7.2 34.73,105.41 36.07,104.07 36.07,98.36 KEY7.2
  Bottom w0.25: KEY7.2 33.02,106.68 KEY7.2 36,105.41 36.77,104.64 KEY7.2 40.52,100.33 D7.2
Net-(D8-Pad2): length 28.4
  Top w0.25: KEY8.2 36.07,79.31 36.07,85.02 34.73,86.36 KEY8.2
  Bottom w0.25: D8.2 40.52,81.28 KEY8.2 36.77,85.59 36,86.36 KEY8.2 33.02,87.63 KEY8.2
Net-(D9-Pad2): length 28.4
  Top w0.25: KEY9.2 34.73,67.31 36.07,65.97 36.07,60.26 KEY9.2
  Bottom w0.25: KEY9.2 33.02,68.58 KEY9.2 36,67.31 36.77,66.54 KEY9.2 40.52,62.23 D9.2
Net-(D10-Pad2): length 28.4
  Top w0.25: KEY10.2 36.07,41.21 36.07,46.92 34.73,48.26 KEY10.2
  Bottom w0.25: D10.2 40.52,43.18 KEY10.2 36.77,47.49 36,48.26 KEY10.2 33.02,49.53 KEY10.2
Net-(D11-Pad2): length 29
  Top w0.25: KEY11.2 54.1,129.23 55.12,128.2 55.12,122.17 KEY11.2
  Bottom w0.25: D11.2 60.4,119.57 KEY11.2 55.82,127.5 54.1,129.23 KEY11.2 52.07,130.5 KEY11.2
Net-(D12-Pad2): length 29
  Top w0.25: KEY12.2 54.1,110.18 55.12,109.15 55.12,103.13 KEY12.2
  Bottom w0.25: D12.2 60.4,100.52 KEY12.2 55.82,108.45 54.1,110.18 KEY12.2 52.07,111.45 KEY12.2
Net-(D13-Pad2): length 29
  Top w0.25: KEY13.2 54.1,91.13 55.12,90.1 55.12,84.08 KEY13.2
  Bottom w0.25: D13.2 60.4,81.47 KEY13.2 55.82,89.4 54.1,91.13 KEY13.2 52.07,92.4 KEY13.2
Net-(D14-Pad2): length 29
  Top w0.25: KEY14.2 54.1,72.08 55.12,71.05 55.12,65.03 KEY14.2
  Bottom w0.25: D14.2 60.4,62.42 KEY14.2 55.82,70.35 54.1,72.08 KEY14.2 52.07,73.35 KEY14.2
Net-(D15-Pad2): length 29
  Top w0.25: KEY15.2 54.1,53.03 55.12,52 55.12,45.98 KEY15.2
  Bottom w0.25: KEY15.2 52.07,54.3 KEY15.2 54.1,53.03 55.82,51.3 KEY15.2 60.4,43.37 D15.2
Net-(D16-Pad2): length 33.2
  Top w0.25: KEY16.2 74.17,124.65 74.17,130.74 73.21,131.7 KEY16.2
  Bottom w0.25: D16.2 74.87,123.14 KEY16.2 74.87,130.04 73.21,131.7 KEY16.2 71.12,132.97 KEY16.2
Net-(D17-Pad2): length 33.2
  Top w0.25: KEY17.2 73.21,112.65 74.17,111.69 74.17,105.6 KEY17.2
  Bottom w0.25: KEY17.2 71.12,113.92 KEY17.2 73.21,112.65 74.87,110.99 KEY17.2 74.87,104.09 D17.2
Net-(D18-Pad2): length 33.2
  Top w0.25: KEY18.2 73.21,93.6 74.17,92.64 74.17,86.55 KEY18.2
  Bottom w0.25: KEY18.2 71.12,94.87 KEY18.2 73.21,93.6 74.87,91.94 KEY18.2 74.87,85.04 D18.2
Net-(D19-Pad2): length 33.2
  Top w0.25: KEY19.2 73.21,74.55 74.17,73.59 74.17,67.5 KEY19.2
  Bottom w0.25: D19.2 74.87,65.99 KEY19.2 74.87,72.89 73.21,74.55 KEY19.2 71.12,75.82 KEY19.2
Net-(D20-Pad2): length 33.2
  Top w0.25: KEY20.2 73.21,55.5 74.17,54.54 74.17,48.45 KEY20.2
  Bottom w0.25: D20.2 74.87,46.94 KEY20.2 74.87,53.84 73.21,55.5 KEY20.2 71.12,56.77 KEY20.2
Net-(D21-Pad2): length 33
  Top w0.25: KEY21.2 93.22,122.18 93.22,128.2 92.2,129.23 KEY21.2
  Bottom w0.25: D21.2 93.92,120.76 KEY21.2 93.92,127.5 92.2,129.23 KEY21.2 90.17,130.5 KEY21.2
Net-(D22-Pad2): length 33
  Top w0.25: KEY22.2 92.2,110.18 93.22,109.15 93.22,103.13 KEY22.2
  Bottom w0.25: KEY22.2 90.17,111.45 KEY22.2 92.2,110.18 93.92,108.45 KEY22.2 93.92,101.71 D22.2
Net-(D23-Pad2): length 33
  Top w0.25: KEY23.2 92.2,91.13 93.22,90.1 93.22,84.08 KEY23.2
  Bottom w0.25: KEY23.2 90.17,92.4 KEY23.2 92.2,91.13 93.92,89.4 KEY23.2 93.92,82.66 D23.2
Net-(D24-Pad2): length 33
  Top w0.25: KEY24.2 93.22,65.03 93.22,71.05 92.2,72.08 KEY24.2
  Bottom w0.25: KEY24.2 90.17,73.35 KEY24.2 92.2,72.08 93.92,70.35 KEY24.2 93.92,63.61 D24.2
Net-(D25-Pad2): length 29.6
  Top w0.25: KEY25.2 92.2,53.03 93.22,52 93.22,45.98 KEY25.2
  Bottom w0.25: KEY25.2 90.17,54.3 KEY25.2 92.2,53.03 93.92,51.3 KEY25.2 93.92,44.56 D25.2
Net-(D26-Pad2): length 26.2
  Top w0.25: KEY26.2 110.99,126.94 112.27,125.66 112.27,119.89 KEY26.2
  Bottom w0.25: KEY26.2 109.22,128.21 KEY26.2 112.26,126.94 112.97,126.23 KEY26.2 112.97,121.33 D26.2
Net-(D27-Pad2): length 26.2
  Top w0.25: KEY27.2 112.27,100.84 112.27,106.61 110.99,107.89 KEY27.2
  Bottom w0.25: D27.2 112.97,102.28 KEY27.2 112.97,107.18 112.26,107.89 KEY27.2 109.22,109.16 KEY27.2
Net-(D28-Pad2): length 26.2
  Top w0.25: KEY28.2 112.27,81.79 112.27,87.56 110.99,88.84 KEY28.2
  Bottom w0.25: D28.2 112.97,83.23 KEY28.2 112.97,88.13 112.26,88.84 KEY28.2 109.22,90.11 KEY28.2
Net-(D29-Pad2): length 24.6
  Top w0.25: KEY29.2 110.99,69.79 112.27,68.51 112.27,62.74 KEY29.2
  Bottom w0.25: 112.97,69.08 KEY29.2 ; 112.97,69.08 112.26,69.79 KEY29.2 109.22,71.06 KEY29.2 ; 112.97,69.08 113.29,68.76 D29.2
Net-(D30-Pad2): length 29.6
  Top w0.25: KEY30.2 155.82,15.05 156.26,13.43 153.31,8.32 KEY30.2
  Bottom w0.25: KEY30.2 154.88,17.07 KEY30.2 156.86,14.46 157.12,13.46 KEY30.2 152.87,6.08 D30.2
Net-(D31-Pad2): length 29.6
  Top w0.25: KEY31.2 132.35,50.6 132.79,48.98 129.84,43.87 KEY31.2
  Bottom w0.25: KEY31.2 131.41,52.61 KEY31.2 133.38,50.01 133.65,49 KEY31.2 129.39,41.63 D31.2
Net-(D32-Pad2): length 29.6
  Top w0.25: KEY32.2 146.34,34.35 149.29,39.45 148.85,41.08 KEY32.2
  Bottom w0.25: D32.2 145.89,32.1 KEY32.2 150.15,39.48 149.88,40.48 KEY32.2 147.9,43.09 KEY32.2
Net-(D33-Pad2): length 29.6
  Top w0.25: KEY33.2 165.35,31.55 165.79,29.93 162.84,24.82 KEY33.2
  Bottom w0.25: D33.2 162.39,22.58 KEY33.2 166.65,29.96 166.38,30.96 KEY33.2 164.4,33.57 KEY33.2
Net-(D34-Pad2): length 29.6
  Top w0.25: KEY34.2 120.32,27.37 123.26,32.48 122.83,34.1 KEY34.2
  Bottom w0.25: KEY34.2 121.88,36.12 KEY34.2 123.86,33.51 124.13,32.51 KEY34.2 119.87,25.13 D34.2
Net-(D35-Pad2): length 29.6
  Top w0.25: KEY35.2 139.33,24.58 139.76,22.95 136.82,17.85 KEY35.2
  Bottom w0.25: KEY35.2 138.38,26.59 KEY35.2 140.36,23.98 140.63,22.98 KEY35.2 136.37,15.61 D35.2
Net-(J3-Pad2): length 33.8
  Top w0.25: SW4.1 126.39,136.75 J3.2
  Bottom w0.25: SW3.1 111.48,135.57 127.58,135.57 J3.2

## Copper pours and planes (outline as drawn; the poured copper is in the pictures)
GND on Top, Bottom: 139.19,72.07 117.6,72.07 117.6,63.43 106.17,51.75 97.03,34.99 96.52,34.48 0,34.48 0,138.62 139.19,138.62
(no net) on Top, Bottom: 174.75,37.53 152.91,-0.07 99.06,30.92 120.9,68.51

## Text on the board
B.Silkscreen: GND | ErgoSNM / v${REVISION}
User.Comments: X: 70.611824 / Y: 143.44013 | X: 186.655075 / Y: 111.27445
F.Silkscreen: GND
